# Altium PCB ROARCAT.PcbDoc (continued)
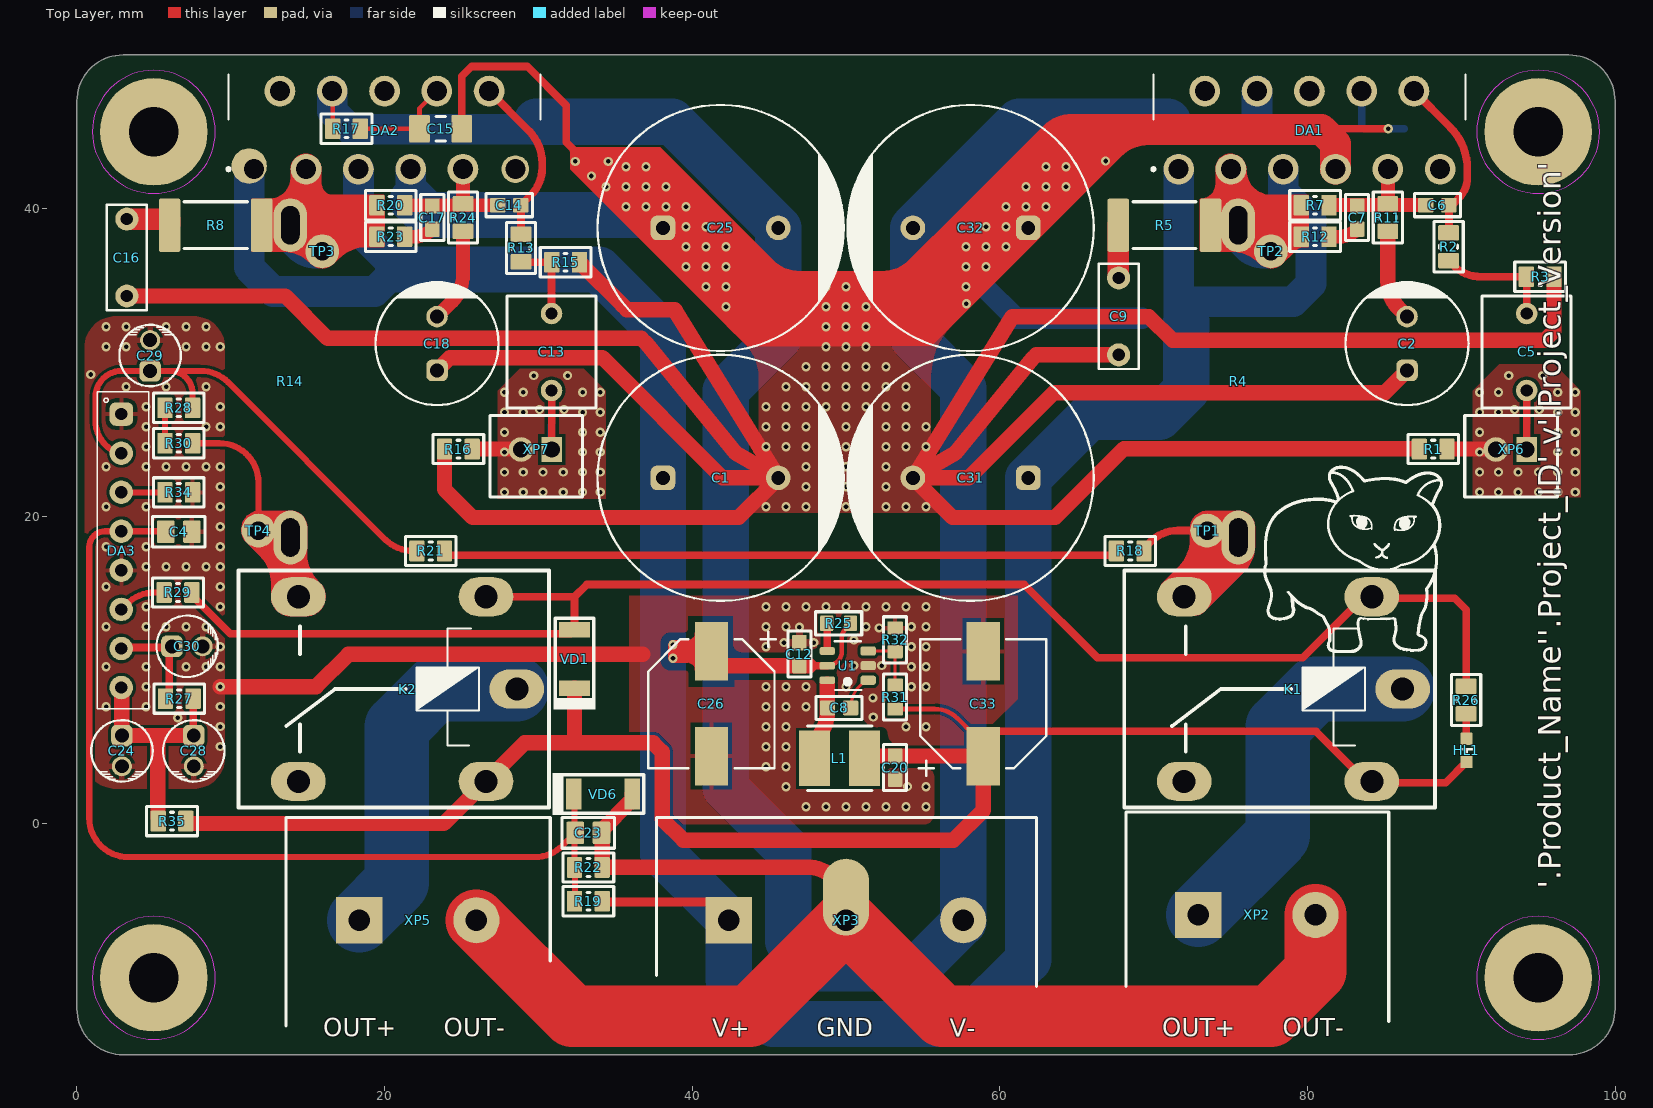
[diagram p0: Top Layer view]
## Part data (continued)
R19: library part "100 k  R0805", "RES SMD 100 k OHM  ±1% 1/8W 0805", Operation Temperature="-55℃ to 155℃", Package/Case=0805, Power Rating=0.125W, Temperature Coefficient="±100 ppm/°C", Tolerance=±1%, Library Path 1=Resistor.SchLib, Name Component=Resistror, Part Number="100 k  R0805"
R21 R27 R28: library part "47 k  R0805", "RES SMD 47 k OHM  ±1% 1/8W 0805", Operation Temperature="-55℃ to 155℃", Package/Case=0805, Power Rating=0.125W, Temperature Coefficient="±100 ppm/°C", Tolerance=±1%, Library Path 1=Resistor.SchLib, Name Component=Resistror, Part Number="47 k  R0805"
R25 R31: library part "100 k  R0603", "RES SMD 100 k OHM  ±1% 1/10W 0603", Operation Temperature="-55℃ to 155℃", Package/Case=0603, Power Rating=0.1W, Temperature Coefficient="±100 ppm/°C", Tolerance=±1%, Library Path 1=Resistor.SchLib, Name Component=Resistror, Part Number="100 k  R0603"
R29: library part "100  R0805", "RES SMD 100 OHM  ±1% 1/8W 0805", Operation Temperature="-55℃ to 155℃", Package/Case=0805, Power Rating=0.125W, Temperature Coefficient="±100 ppm/°C", Tolerance=±1%, Library Path 1=Resistor.SchLib, Name Component=Resistror, Part Number="100  R0805"
R32: library part "10 k  R0603", "RES SMD 10 k OHM  ±1% 1/10W 0603", Operation Temperature="-55℃ to 155℃", Package/Case=0603, Power Rating=0.1W, Temperature Coefficient="±100 ppm/°C", Tolerance=±1%, Library Path 1=Resistor.SchLib, Name Component=Resistror, Part Number="10 k  R0603"
R34: library part "0  R0805", "RES SMD 0 OHM  ±1% 1/8W 0805", Operation Temperature="-55℃ to 155℃", Package/Case=0805, Power Rating=0.125W, Temperature Coefficient="±200 ppm/°C", Tolerance=±1%, Library Path 1=Resistor.SchLib, Name Component=Resistror, Part Number="0  R0805"
R35: library part "3.3 k  R0805", "RES SMD 3.3 k OHM  ±1% 1/8W 0805", Operation Temperature="-55℃ to 155℃", Package/Case=0805, Power Rating=0.125W, Temperature Coefficient="±100 ppm/°C", Tolerance=±1%, Library Path 1=Resistor.SchLib, Name Component=Resistror, Part Number="3.3 k  R0805"
TP1 TP2 TP3 TP4: "1.75mm Pad for Plug-In or Receptacle", Manufacturer=NONE, Ajax_1C_PN=NONE, Ajax_1С_Status="RND Only", Component Status=Released, Component Type=PTH, ComponentLink1Description=Datasheet, ComponentLink1URL=NONE, Part Number=PAD-1.75mm, Part Type=Pad, Price=NONE, Replacement=NONE, Temperature range=NONE
U1: "Switching Voltage Regulators 4.7V to 40V Input, 1A Output , Vfb = 0.6V VStep-Down Converter SOT-23-6", Manufacturer="Joulwatt Technology", Operation Temperature="-40°C ~ 125°C (TJ)", Package=SOT-23-6, Package/Case="SOT 23-6", Power (V/A)="4.7…40V 2A", ComponentDescription="Power converters JW5026  (SOT 23-6)", ComponentLink1Description=Datasheet, ComponentLink1URL=https://www.skytech.ir/DownLoad/File/2588_JW5026.pdf, Library Path 1="Power converters.SchLib", Name Component="Power converters", Part Number=JW5026, Supplier 1=Kosmodrom, Supplier Part Number 1=JW5026
VD1 VD6: "DIODE GEN PURP 75V 250MA SOD323", Manufacturer="Diodes Incorporated", Operation Temperature="-55°C ~ 150°C", Package/Case=SOD-80, Power Rating="75V 250mA", ComponentLink1Description=Datasheet, Library Path 1=Diodes.SchLib, Manufacturer P/N=1N4148, Name Component=Diode, Part Number=1N4148, Supplier 1=Digi-key, Supplier Part Number 1=1N4148
XP1 XP4: "CONN UMC RCPT STR 50 OHM SMD", Manufacturer=HIROSE, Operation Temperature="-10°C …. 40°C", Package/Case="Male Pin", ComponentLink1Description=Datasheet, ComponentLink1URL=https://www.tme.eu/ua/ru/details/u.fl-r-smt-1-01/mikrorazemy/hirose/u-fl-r-smt-1-01/, Library Path 1=Connectors.SchLib, Manufacturer P/N=U.FL-R-SMT-1(01), Name Component="U.FL (IPX/AMC)", Part Number=U.FL-R-SMT-1(01), Supplier 1=TME
XP2 XP5: "CONN TERMINAL BLOCKS 7.62MM", Manufacturer=DEGSON, Manufacturer P/N=DG25C-B-02P-13-00AH, Operation Temperature="-40°C ~ 105°C", Package/Case="7.62 mm", Power (V/A)="15A  2000V", ComponentLink1Description=Datasheet, ComponentLink1URL=http://www.kosmodrom.com.ua/pdf/DG25C-B.pdf, Library Path 1=Connectors.SchLib, Name Component="Terminal Blocks", Part Number=DG25C-B-02P, Supplier 1=Kosmodrom
XP3: "3PIN 7.62mm 300V 15 A  7-30 AWG", Operation Temperature="-65°C ~ 125°C", Package/Case="7,62 mm", Power (V/A)="300V 15 A", ComponentLink1Description=Datasheet, ComponentLink1URL=https://www.rcscomponents.kiev.ua/datasheets/DG25H-B-XXP-1Y-00A%28H%29.Jpg, Library Path 1=Connectors.SchLib, Name Component="Power Connectors", Part Number=DG25H-B-03P-13-00AH, Supplier 1=RCS
XP6 XP7: "CONN HEADER VERT 2POS 2MM", Manufacturer="JST Sales America Inc.", Manufacturer P/N=B02B-PASK-1(LF)(SN), Operation Temperature="-55 °C to +105 °C", Package/Case=2mm, Power (V/A)=3A, ComponentLink1Description=Datasheet, ComponentLink1URL=http://www.jst-mfg.com/product/pdf/eng/ePA-F.pdf, Library Path 1=Connectors.SchLib, Name Component="Rectangular Connectors - Headers", Part Number=B02B-PASK-1, Supplier 1=Digi-key

## Free pads (board coordinates)
  round 7 hole 3.2: MH(5,-10) MH(5,45) MH(95,-10) MH(95,45)

## Via types
v1: diameter 0.6, hole 0.3, Top Layer to Bottom Layer, tented both sides, 291 vias

## Nets (pads, with @x,y where several pads share a name; then routed paths per layer and width w, separated by ;. In a path a pad name is that pad's centre, name@x,y a point inside that pad or via, vN(x,y) a via of type N, cw(c..) or ccw(c..) an arc to the next point about the centre after c; other vN are vias at no path point)
12V5: C20.2 C33.1 HL1.1 K1.1 K2.1 L1.2 R31.2 R35.1 VD1.1 | length 113.2
  Top Layer w0.3: R31.2 55.764,7.475 cw(c55.764,5.364) 57.256,6.857 ; 57.257,6.857 57.508,6.606 57.944,6.169 57.997,6.169 58.619,5.547 C33.1@58.619,5.494
  Top Layer w0.5: C33.1@58.922,5.244 59.703,6.025 80.55,6.025 83.8,2.775 K1.1 ; K1.1@85.501,2.675 88.977,2.675 HL1.1
  Top Layer w1: R35.1@7.225,0.035 23.86,0.035 K2.1 29.1,5.275 32.35,5.275 ; VD1.1 32.35,5.275 ; L1.2 51.346,4.419 C33.1 58.922,0.883 56.989,-1.05 39.425,-1.05 38.05,0.325 38.05,4.689 37.464,5.275 32.35,5.275
+30V: C1.1 C3.1 C10.1 C12.2 C26.1 C31.1 DA1.1 DA1.5 DA2.1 DA2.5 R19.2 R25.1 U1.5 XP3.1 | length 205.6
  Top Layer w0.3: U1.5 ccw(c48.782,11.246) 49.731,11.246 49.731,12.118 cw(c50.535,12.118) 49.981,12.7 cw(c50.535,12.118) 50.14,12.818 cw(c50.535,12.118) R25.1@50.535,12.922
  Top Layer w0.5: 47.606,10.294 48.782,10.294 U1.5
  Top Layer w0.6: R19.2@34.187,-5.062 41.189,-5.062 XP3.1
  Top Layer w1: C26.1 41.247,10.869 41.822,10.294 C12.2 47.606,10.294
  Bottom Layer w2: DA2.1@11.131,42.874 11.2,42.804 11.2,36.19 12.765,34.625 19.364,34.625 20.83,36.091 ; DA2.5 18.3,38.621 20.216,36.705 ; C10.1@71.625,32.672 71.625,34.375 ; DA1.1 71.625,34.375 ; DA1.5 78.425,41.1 80.225,39.3 80.225,35.122 79.053,33.95 72.05,33.95 71.625,34.375
  Bottom Layer w3: 20.873,36.048 33.927,36.048 38.1,31.875 C1.1 38.1,-1.973 XP3.1 42.38,-10.116 45.264,-13 57.676,-13 61.85,-8.825 C31.1 65.813,26.462 70.365,26.462 72.123,28.22 72.123,32.672
  other v1: 38.755,10.78 38.755,11.655
-30V: C11.2 C19.2 C25.2 C32.2 DA1.4 DA2.4 R9.2 R17.2 XP3.3 | length 175.8
  Top Layer w0.3: R17.2 DA2.4@16.625,47.725
  Top Layer w0.5: DA2.4@16.625,47.725 DA2.4@16.775,47.875
  Bottom Layer w1: 76.714,45.2 R9.2
  Bottom Layer w2: DA2.4 16.6,46.336 17.772,45.164 29.872,45.164 ; 70.608,45.147 76.256,45.147 ; 76.714,45.232 76.629,45.147 76.256,45.147 ; DA1.4 76.714,47.639 76.714,45.605 76.256,45.147
  Bottom Layer w3: 29.872,45.652 33.47,45.652 37.4,45.652 38.698,45.652 C25.2 45.6,31.6 42.187,28.187 42.187,2.338 46.245,-1.72 46.245,-7.623 48.003,-9.38 54.633,-9.38 XP3.3@57.62,-6.393 ; XP3.3 XP3.3@57.62,-6.393 ; 70.917,45.662 65.575,45.662 61.263,45.662 C32.2 54.35,31.6 57.62,28.33 XP3.3@57.62,-6.393
NetC2_2: C2.2 R11.1 | length 5.9
  Top Layer w1: R11.1 85.225,35.287 ccw(c87.765,35.287) 85.585,33.983 ccw(c87.765,35.287) 85.969,33.491 C2.2
NetC5_1: C5.1 XP1.1 XP6.1 | length 5.4
  Top Layer w0.5: XP6.1 C5.1
  Bottom Layer w0.5: XP6.1 XP1.1
NetC5_2: C5.2 R2.2 R3.1 | length 7.8
  Top Layer w0.5: R2.2 89.482,36.319 ccw(c91.278,38.115) 91.278,35.575 R3.1 cw(c94.165,35.514) 94.25,35.514 C5.2
NetC6_1: C6.1 C7.1 DA1.9 R7.1 R11.2 | length 8.4
  Top Layer w0.9: R7.1@81.4,40.25 81.4,40.22 81.43,40.25 C6.1@87.484,40.25 ; R11.2 DA1.9
NetC6_2: C6.2 DA1.10 R2.1 | length 10.7
  Top Layer w0.5: DA1.10 89.274,45.301 89.276,45.299 cw(c86.57,42.594) 90.396,42.595 90.396,42.593 90.396,42.05 cw(c88.446,42.05) 89.825,40.671 C6.2@89.459,40.306 ; R2.1 ccw(c89.126,38.475) 89.195,38.475 C6.2
NetC7_2: C7.2 R12.1 | length 2
  Top Layer w0.9: R12.1 82.041,38.181 ccw(c82.041,39.864) C7.2
NetC8_1: C8.1 U1.1 | length 2.1
  Top Layer w0.2: C8.1 cw(c52.317,7.543) 50.891,8.97 U1.1@51.221,9.3
NetC8_2: C8.2 L1.1 U1.6 | length 5
  Top Layer w1: L1.1 L1.1@47.945,5.445 ; L1.1@47.976,5.445 48.038,5.508 ccw(c46.242,7.304) 48.782,7.304 48.782,9.086
NetC9_1: C9.1 R5.1 | length 3.5
  Top Layer w1.4: R5.1@67.7,38.975 67.7,37.95 67.706,37.944 67.706,35.519 C9.1
NetC13_1: C13.1 XP4.1 XP7.1 | length 5.7
  Top Layer w0.3: XP7.1@30.875,24.125 XP7.1
  Top Layer w0.5: C13.1 30.875,28.185 XP7.1
  Bottom Layer w0.5: XP4.1 30.859,24.347 XP7.1
NetC13_2: C13.2 R13.2 R15.1 | length 5.3
  Top Layer w0.5: R13.2 ccw(c28.937,36.613) 28.937,36.524 R15.1@30.859,36.524 ; C13.2 R15.1@30.859,36.524 ; R15.1 R15.1@30.859,36.524
NetC14_1: C14.1 C17.1 DA2.9 R20.1 R24.2 | length 8.4
  Top Layer w0.9: R20.1 R24.2@25.106,40.226 ; DA2.9 25.106,42.564 R24.2 R24.2@25.106,40.226 ; C14.1 R24.2@25.106,40.226
NetC14_2: C14.2 DA2.10 R13.1 | length 11.1
  Top Layer w0.5: DA2.10 29.382,45.068 29.383,45.067 cw(c27.29,42.974) 30.25,42.975 30.25,42.973 30.25,42.669 cw(c27.71,42.669) 29.506,40.873 C14.2 cw(c28.821,40.188) 28.874,40.188 R13.1
NetC15_1: C15.1 DA2.8 R17.1 | length 6.8
  Top Layer w0.3: R17.1 22.25,45.2 22.275,45.175 22.275,46.525 DA2.8
NetC16_1: C16.1 R8.1 | length 3.1
  Top Layer w1.4: C16.1@3.277,39.325 6.025,39.325 R8.1@6.025,38.975
NetC17_2: C17.2 R23.1 | length 1.9
  Top Layer w0.9: R23.1 21.916,38.181 ccw(c21.916,39.864) C17.2
NetC18_2: C18.2 R24.1 | length 6.1
  Top Layer w0.9: C18.2 24.362,33.933 ccw(c22.566,35.729) 25.106,35.729 R24.1
NetC21_1: C21.1 DA1.8 R9.1 | length 5.7
  Bottom Layer w0.5: R9.1 C21.1 DA1.8
NetC24_1: C24.1 C28.1 DA3.8 R27.2 R35.2 | length 15.6
  Top Layer w0.5: C28.1@7.557,5.793 R27.2
  Top Layer w1: DA3.8 2.907,8.852 2.907,5.768 C24.1 5.262,5.75 ; R35.2@5.275,0.424 5.275,1.205 5.262,1.217 5.262,5.75 ; C28.1@7.557,5.793 C28.1 5.262,5.75
NetC29_1: C29.1 DA3.2 R21.1 R28.2 | length 34.8
  Top Layer w0.4: DA3.2@3.436,23.984 cw(c3.436,26.213) 1.206,26.213 1.206,27.75 cw(c2.912,27.75) 2.912,29.456 C29.1 6.05,29.456 ; R28.2 7.525,27.981 ccw(c6.05,27.981) 6.05,29.456 ; R21.1 21.852,17.75 cw(c21.852,20.29) 20.056,18.494 9.838,28.712 ccw(c8.042,26.916) 8.042,29.456 6.05,29.456
NetC30_1: C30.1 DA3.7 R27.1 | length 6.9
  Top Layer w0.5: DA3.7 2.959,11.48 6.106,11.48 C30.1 6.006,11.38 6.006,8.399 R27.1
NetDA1_3: DA1.3 R4.1 R5.2 R7.2 R12.2 TP2.1
NetDA2_3: DA2.3 R8.2 R14.1 R20.2 R23.2 TP3.1
NetDA3_3: DA3.3 R34.2 | length 2.5
  Top Layer w0.4: DA3.3@3.3,21.57 3.31,21.56 5.76,21.56 R34.2@5.77,21.55
NetDA3_6: DA3.6 R29.1 | length 3.1
  Top Layer w0.4: DA3.6 3.245,14.306 cw(c5.041,12.51) 3.248,14.309 cw(c5.041,12.51) 5.041,15.05 R29.1
NetHL1_2: HL1.2 R26.2 | length 1.6
  Top Layer w0.5: R26.2 90.326,7.146 90.326,5.549 HL1.2
NetK1_2: K1.2 K2.2 R26.1 R29.2 VD1.2 | length 101.3
  Top Layer w0.5: R29.2 7.47,14.875 9.97,12.375 32.1,12.375 VD1.2 32.35,14.775 ; K2.2 32.35,14.775 ; R26.1 90.313,13.937 89.575,14.675 84.286,14.675 K1.2 83.678,14.775 79.703,10.8 66.35,10.8 61.584,15.566 33.141,15.566 32.35,14.775
NetK1_3: K1.3 R4.2 R18.2 TP1.1 | length 8
  Top Layer w0.5: R18.2@69.464,18.024 69.771,18.331 cw(c71.567,16.535) 69.908,18.458 cw(c71.567,16.535) 71.567,19.075 TP1.1 73.804,18.75 74.804,18.75 75.553,18 R4.2@75.553,17.592 ; K1.3 K1.3@72.736,14.775
NetK1_4: K1.4 XP2.1 | length 23.5
  Bottom Layer w4.2: XP2.1@72.902,-5.912 78.075,-0.739 78.075,6.315 80.535,8.775 K1.4
NetK2_3: K2.3 R14.2 R30.1 TP4.1 | length 14.2
  Top Layer w0.4: R30.1 9.263,24.755 cw(c9.263,22.215) 11.803,22.215 TP4.1 14.4,16.478 K2.3
NetK2_4: K2.4 XP5.1 | length 22.4
  Bottom Layer w4.2: XP5.1 20.8,-3.806 20.8,6.315 23.26,8.775 K2.4
NetR1_1: R1.1 XP1.2 XP1.3 XP6.2 | length 3.2
  Top Layer w1: R1.1 92.222,24.375 cw(c92.222,24.347) XP6.2
  other v1: 91.191,21.575 92.416,21.575 93.691,21.575 95.016,21.575 96.266,21.575 97.416,21.575 91.191,22.875 92.416,22.875 93.691,22.875 95.016,22.875 96.266,22.875 97.416,22.875 91.191,24.175 96.266,24.175 97.416,24.175 91.191,25.475 96.266,25.475 97.416,25.475 91.191,26.775 92.416,26.775 96.266,26.775 97.416,26.775 93.466,26.95 95.066,26.95 91.191,28.075 92.416,28.075 96.266,28.075 97.416,28.075 93.091,29.15 95.291,29.15
NetR16_1: R16.1 XP4.2 XP4.3 XP7.2 | length 3.2
  Top Layer w1: R16.1 28.847,24.375 cw(c28.847,24.347) XP7.2
  other v1: 27.8,21.575 29.025,21.575 30.3,21.575 31.625,21.575 32.875,21.575 34.025,21.575 27.8,22.875 29.025,22.875 30.3,22.875 31.625,22.875 32.875,22.875 34.025,22.875 27.8,24.175 32.875,24.175 34.025,24.175 27.8,25.475 32.875,25.475 34.025,25.475 27.8,26.775 29.025,26.775 32.875,26.775 34.025,26.775 30.075,26.95 31.675,26.95 27.8,28.075 29.025,28.075 32.875,28.075 34.025,28.075 29.7,29.15 31.9,29.15
NetR18_1: R18.1 R21.2 | length 43.9
  Top Layer w0.5: R21.2 23.9,17.727 24.15,17.477 67.325,17.477 67.575,17.727 R18.1
NetR25_2: R25.2 U1.4 | length 1.8
  Top Layer w0.5: R25.2 cw(c48.747,13.015) 48.782,13.015 U1.4
NetR28_1: R28.1 R30.2 | length 2.3
  Top Layer w0.4: R30.2 R28.1
OFF≈0.6V: C4.2 C23.2 DA3.4 R19.1 R22.2 VD6.1 | length 63.2
  Top Layer w0.4: C4.2 5.745,19.03 DA3.4 1.83,19.03 ccw(c1.83,18) 0.8,18 0.8,0.39 ccw(c3.34,0.39) 3.34,-2.15 29.772,-2.15 ccw(c29.772,0.39) 31.568,-1.406 C23.2@32.293,-0.681 ; R19.1 32.375,-5 R22.2@32.375,-2.825 ; R22.2 32.35,-1.075 ccw(c30.95,-1.075) C23.2@32.293,-0.681 ; C23.2@32.35,-0.374 VD6.1@32.35,1.5 ; C23.2@32.375,-0.574 C23.2@32.375,-0.399 ; C23.2 C23.2@32.293,-0.681
PGND: C1.2 C2.1 C3.2 C4.1 C9.2 C10.2 C11.1 C12.1 C15.2 C16.2 C18.1 C19.1 C20.1 C21.2 C23.1 C24.2 C25.1 C26.2 C28.2 C29.2 C30.2 C31.2 C32.1 C33.2 DA1.7 DA2.7 DA3.1 DA3.5 R1.2 R3.2 R15.2 R16.2 R22.1 R32.1 R34.1 U1.2 VD6.2 XP2.2 XP3.2 XP5.2 | length 439.8
  Top Layer w0.5: C15.2 25.025,48.603 25.672,49.25 29.272,49.25 31.811,46.711 31.811,44.314 32.575,43.55 ; 81.825,45.2 v1(85.25,45.2)
  Top Layer w1: C16.2 13.55,34.325 16.3,31.575 36.688,31.575 37.016,31.247 42.863,24.097 C1.2 ; v1(9.325,8.93) 15.555,8.93 17.65,11.025 36.775,11.025 ; C18.1 23.614,29.685 24.244,30.315 34.16,30.315 41.975,22.5 44.7,22.5 ; R16.2 23.9,21.75 25.725,19.925 43.025,19.925 C1.2 ; R15.2 32.675,36.349 32.85,36.349 35.466,33.733 35.759,33.44 38.801,33.44 cw(c38.801,33.308) 38.934,33.308 44.437,24.385 C1.2 ; C23.1 C23.1@34.15,-0.524 ; C23.1@34.15,-0.328 C23.1@34.15,-0.524 ; VD6.2 36.1,1.45 35.968,1.45 34.175,-0.343 34.175,-0.499 C23.1@34.15,-0.524 ; C26.2@41.026,4.643 C26.2@41.026,5.464 ; C1.2@44.942,22.833 C1.2 ; XP3.2@49.328,-3.621 49.251,-3.544 ccw(c47.455,-5.34) 47.455,-2.8 34.15,-2.8 C23.1@34.15,-0.524 ; C31.2@54.71,23.084 55.456,24.293 60.812,32.975 69.701,32.975 71.226,31.45 95.439,31.45 96.025,32.036 R3.2 ; 55.25,22.5 57.975,22.5 63.5,28.025 85.015,28.025 C2.1 ; C9.2 62.369,30.5 62.118,30.249 57.087,24.097 55.022,22.892 C31.2 56.925,19.925 63.6,19.925 68.075,24.4 R1.2@87.275,24.4
  Top Layer w2: 68.25,45.15 80.9,45.15 81.825,44.225 DA1.7
  Top Layer w4: XP5.2 32.22,-12.5 43.753,-12.5 XP3.2 56.247,-12.5 77.6,-12.5 80.522,-9.578 XP2.2@80.522,-5.912
  Bottom Layer w0.5: v1(85.25,45.2) C21.2
  Bottom Layer w1.4: 58.973,34.93 61.028,32.875 C10.2@69.25,32.875
  Bottom Layer w2: 21.7,41.29 DA2.7
  Bottom Layer w3: 21.81,40.551 22.776,39.585 37.265,39.585 C25.1
  other v1: 47.4,1.125 48.7,1.125 50,1.125 51.3,1.125 52.6,1.125 53.9,1.125 55.2,1.125 46.1,2.425 54,2.43 55.2,2.425 44.8,3.725 46.1,3.725 9.325,5.03 44.8,5.025 46.1,5.025 9.325,6.33 44.8,6.325 46.1,6.325 53.9,6.325 55.2,6.325 6.55,6.9 51.775,6.95 1.9,7.625 4.5,7.625 9.325,7.63 44.8,7.625 46.1,7.625 47.4,7.625 51.75,8.2 4.5,8.925 44.8,8.925 46.1,8.925 47.4,8.925 50,8.925 54.25,8.93 55.2,8.925 1.9,10.225 4.5,10.225 7.1,10.225 8.4,10.225 55.2,10.225 9.325,10.23 54.25,10.23 50.513,10.296 52.325,10.296 9.325,11.53 44.8,11.525 54.25,11.53 55.2,11.525 45.973,11.794 47.9,11.794 50.513,11.954 52.15,12.75 46.972,12.8 1.9,12.825 4.5,12.825 5.8,12.825 7.1,12.825 8.4,12.825 44.8,12.825 46.1,12.825 51.3,12.825 54.25,12.83 55.2,12.825 4.5,14.125 9.325,14.13 44.8,14.125 46.1,14.125 47.4,14.125 48.7,14.125 50,14.125 51.3,14.125 52.6,14.125 53.9,14.125 55.2,14.125 1.9,15.425 9.325,15.43 4.5,16.725 5.8,16.725 7.1,16.725 8.4,16.725 9.325,16.73 1.9,18.025 4.5,18.025 9.325,18.03 9.325,19.33 1.9,20.625 4.5,20.625 9.325,20.63 44.8,20.625 46.1,20.625 47.4,20.625 48.7,20.625 50,20.625 51.3,20.625 52.6,20.625 53.9,20.625 55.2,20.625 9.325,21.93 47.4,21.925 48.7,21.925 50,21.925 51.3,21.925 52.6,21.925 1.9,23.225 4.5,23.225 5.8,23.225 7.1,23.225 8.4,23.225 9.325,23.23 47.4,23.225 48.7,23.225 50,23.225 51.3,23.225 52.6,23.225 4.5,24.525 44.8,24.525 46.1,24.525 47.4,24.525 48.7,24.525 50,24.525 51.3,24.525 52.6,24.525 53.9,24.525 55.2,24.525 4.5,25.825 8.4,25.825 9.325,25.83 44.8,25.825 46.1,25.825 47.4,25.825 48.7,25.825 50,25.825 51.3,25.825 52.6,25.825 53.9,25.825 55.2,25.825 4.5,27.125 9.325,27.13 44.8,27.125 46.1,27.125 47.4,27.125 48.7,27.125 50,27.125 51.3,27.125 52.6,27.125 53.9,27.125 3.2,28.425 5.8,28.425 8.4,28.425 46.1,28.425 47.4,28.425 48.7,28.425 50,28.425 51.3,28.425 52.6,28.425 53.9,28.425 0.9,29.225 47.4,29.725 48.7,29.725 50,29.725 51.3,29.725 52.6,29.725 1.9,31.025 3.2,31.025 7.1,31.025 8.4,31.025 9.325,31.03 48.7,31.025 50,31.025 51.3,31.025 1.9,32.325 3.2,32.325 5.8,32.325 7.1,32.325 8.4,32.325 48.7,32.325 50,32.325 51.3,32.325 42.2,33.625 48.7,33.625 50,33.625 51.3,33.625 57.825,33.825 40.9,34.925 42.2,34.925 48.7,34.925 50,34.925 51.3,34.925 57.8,34.925 39.6,36.225 40.9,36.225 42.2,36.225 57.8,36.225 59.1,36.225 39.6,37.525 40.9,37.525 42.2,37.525 57.8,37.525 59.1,37.525 60.4,37.525 39.6,38.825 40.9,38.825 59.1,38.825 60.4,38.825 35.7,40.125 37,40.125 38.3,40.125 39.6,40.125 60.4,40.125 61.7,40.125 63,40.125 34.4,41.425 35.7,41.425 37,41.425 38.3,41.425 61.7,41.425 63,41.425 64.3,41.425 33.45,42.125 35.7,42.725 37,42.725 63,42.725 64.3,42.725 32.4,43.075 34.55,43.075 66.875,43.1
Vfb=0.8: R31.1 R32.2 U1.3 | length 3.9
  Top Layer w0.2: U1.3 R32.2@53.149,11.247 ; R31.1 R32.2
pads on no net: DA1.2 DA1.6 DA1.11 DA2.2 DA2.6 DA2.11 K1.5 K2.5

## Polygon pours and split planes (outlines as drawn)
PGND on Top Layer "NONET_L-01_P-001" (solid, remove dead copper, pour order 8): 7.6,33 cw(c7.6,30.975) 9.625,30.975 9.625,4.325 cw(c7.6,4.325) 7.6,2.3 2.525,2.3 cw(c2.525,4.325) 0.5,4.325 0.5,30.975 cw(c2.525,30.975) 2.525,33
NetR1_1 on Top Layer "NONET_L-01_P-001" (solid, remove dead copper, pour order 21): 92.466,29.9 96.041,29.9 97.766,28.175 97.766,21.25 90.741,21.25 90.741,28.175
NetR16_1 on Top Layer "NONET_L-01_P-001" (solid, remove dead copper, pour order 23): 29.075,29.9 32.65,29.9 34.375,28.175 34.375,21.15 27.35,21.15 27.35,28.175
PGND on Top Layer "NONET_L-01_P-001" (solid, remove dead copper, pour order 12): 57.025,32.55 ccw(c60.348,29.052) 55.525,29.175 55.525,21.172 cw(c55.339,20.436) 56.075,20.25 43.95,20.25 cw(c44.598,20.523) 44.325,21.172 44.325,29.175 ccw(c41.24,29.022) 43.313,31.313 42.075,32.55
PGND on Top Layer "NONET_L-01_P-001" (solid, remove dead copper, pour order 0): 35.9,14.825 35.9,5.825 38.034,5.265 38.5,-0.025 61.15,-0.025 61.15,14.825
NetR1_1 on Bottom Layer "NONET_L-01_P-001" (solid, pour order 22): 92.466,29.9 96.041,29.9 97.766,28.175 97.766,21.15 90.741,21.15 90.741,28.175
NetR16_1 on Bottom Layer "NONET_L-01_P-001" (solid, pour order 19): 29.075,29.9 32.65,29.9 34.375,28.175 34.375,21.15 27.35,21.15 27.35,28.175
PGND on Bottom Layer "NONET_L-01_P-001" (solid, pour order 25): 53.085,-7.275 ccw(c53.085,-4.735) 55.625,-4.735 55.625,26.273 ccw(c53.085,26.273) 54.881,28.069 53.069,29.881 cw(c54.865,31.677) 52.325,31.677 52.325,35.45 ccw(c51.825,35.45) 51.825,35.95 48.075,35.95 ccw(c48.075,35.475) 47.6,35.475 47.6,31.727 cw(c45.06,31.727) 46.856,29.931 44.994,28.069 ccw(c46.752,26.182) 44.175,26.273 44.175,4.327 ccw(c46.715,4.327) 44.919,2.531 47.531,-0.081 cw(c45.735,-1.877) 48.275,-1.877 48.275,-5.5 ccw(c50.05,-5.5) 50.05,-7.275
PGND on Bottom Layer "NONET_L-01_P-001" (solid, remove dead copper, pour order 9): 7.6,33 cw(c7.6,30.975) 9.625,30.975 9.625,4.325 cw(c7.6,4.325) 7.6,2.3 2.525,2.3 cw(c2.525,4.325) 0.5,4.325 0.5,30.975 cw(c2.525,30.975) 2.525,33
PGND on Bottom Layer "NONET_L-01_P-001" (solid, remove dead copper, pour order 14): 32.075,43.6 32.075,40.825 33.911,40.825 41.686,33.05 43.15,33.05 43.15,37.875 37.425,43.6
PGND on Bottom Layer "NONET_L-01_P-001" (solid, remove dead copper, pour order 13): 68.1,43.6 58,33.5 56.8,33.5 56.8,37.875 62.525,43.6

## Keep-outs
Top Layer:
  circle w0.01: c5,-10 r4
  circle w0.01: c95,-10 r4
  circle w0.01: c95,45 r4
  circle w0.01: c5,45 r4

## Other copper
Top Layer:
  pour cut-out: 46.35,11.175 43.15,11.175 cw(c43.15,11.65) 42.675,11.65 42.675,13.525 39.7,13.525 39.7,12.65 cw(c39.525,12.65) 39.525,12.475 38.675,12.475 ccw(c38.675,11.725) 37.925,11.725 37.925,10.675 ccw(c38.625,10.675) 38.625,9.975 39.575,9.975 cw(c39.575,9.8) 39.75,9.8 39.75,8.9 42.775,8.9 42.775,9.35 48.075,9.35 48.075,11.15
  region net PGND: 44.025,37.875 45.206,36.694 ccw(c47.002,38.49) 47.002,35.95 52.348,35.95 ccw(c52.348,38.49) 54.144,36.694 55.35,37.9 55.35,31.375 44.025,31.375
  pour cut-out: 53.5,3.625 55.2,3.625 cw(c55.2,3.1) 55.725,3.1 55.725,0.625 cw(c55.075,0.625) 55.075,-0.025 cw(c55.075,-0.05) 55.1,-0.05 55.1,-0.125 55.85,-0.125 55.85,3.8 53.525,3.8
  pour cut-out: 52.45,12.4 cw(c51.8,12.4) 51.8,11.75 51.75,11.75 51.75,11.675 52.5,11.675 ccw(c52.5,11.7) 52.525,11.7 52.525,12.4
  pour cut-out: 51,7.325 ccw(c52.05,7.325) 52.05,6.275 52.325,6.275 cw(c52.325,5.875) 52.725,5.875 ccw(c53.475,5.875) 53.475,5.125 53.6,5.125 cw(c53.6,5.075) 53.65,5.075 53.65,3.675 53.15,3.675 ccw(c53.15,2.925) 52.4,2.925 52.4,2.275 48.525,2.275 cw(c48.525,2.325) 48.475,2.325 48.475,7.325
  region net NetK2_3: 14.975,17.552 ccw(c17.515,17.552) 15.719,15.756 15.825,15.65 cw(c14.98,14.805) 16.175,14.805 16.175,14.775 cw(c14.9,14.775) 14.9,13.5 13.9,13.5 cw(c13.9,14.775) 12.625,14.775 12.625,15.648 ccw(c10.085,15.648) 11.881,17.444 10.975,18.35 cw(c11.639,19.014) 10.7,19.014 10.7,19.175 cw(c11.9,19.175) 11.9,20.375 13.9,20.375 cw(c13.9,19.3) 14.975,19.3
  region net NetK1_3: 71.925,13.525 72.565,13.525 ccw(c72.565,14.635) 73.35,13.85 75.893,16.393 ccw(c74.186,18.1) 76.6,18.1 76.6,19.275 ccw(c75.5,19.275) 75.5,20.375 73.525,20.375 ccw(c73.525,19.2) 72.35,19.2 72.35,18.502 cw(c69.81,18.502) 71.606,16.706 70.5,15.6
  region net NetDA2_3: 14.875,43.575 ccw(c14.875,42.6) 13.9,42.6 13.9,42.025 cw(c12.525,42.025) 12.525,40.65 11.425,40.65 ccw(c11.425,40.55) 11.325,40.55 11.325,37.3 ccw(c11.425,37.3) 11.425,37.2 13.373,37.2 cw(c13.373,34.66) 15.169,36.456 15.25,36.375 ccw(c15.854,36.979) 15.854,36.125 15.975,36.125 ccw(c15.975,37.151) 16.701,36.426 17.031,36.756 cw(c18.827,34.96) 18.827,37.5 19.925,37.5 ccw(c19.925,37.575) 20,37.575 20,40.825 ccw(c19.925,40.825) 19.925,40.9 16.65,40.9 cw(c16.65,41.65) 15.9,41.65 15.9,42.55 ccw(c14.875,42.55)
  region net NetDA1_3: 77.65,40.9 cw(c77.65,42.525) 76.025,42.525 ccw(c74.975,42.525) 74.975,43.575 ccw(c74.975,42.625) 74.025,42.625 74.025,41.625 cw(c73.05,41.625) 73.05,40.65 ccw(c73.05,40.6) 73,40.6 73,37.3 ccw(c73.1,37.3) 73.1,37.2 75.048,37.2 cw(c75.048,34.66) 76.844,36.456 76.85,36.45 ccw(c77.635,37.235) 77.635,36.125 77.65,36.125 ccw(c77.65,37.151) 78.376,36.426 79.128,37.178 cw(c79.923,36.383) 79.923,37.508 80.026,37.508 ccw(c80.026,37.581) 80.098,37.581 80.098,40.827 ccw(c80.025,40.827) 80.025,40.9
  region net +30V: 39.705,11.955 ccw(c39.705,12.43) 40.18,12.43 40.555,12.43 40.555,10.005 40.18,10.005 ccw(c39.705,10.005) 39.705,10.48 38.755,10.48 cw(c38.755,10.781) 38.453,10.781 38.453,11.653 cw(c38.755,11.653) 38.755,11.955
  region net PGND: 71.325,46.15 64.652,46.15 ccw(c64.652,43.61) 62.856,45.406 48.525,31.075 55.568,31.075 67.899,43.406 cw(c69.695,41.61) 69.695,44.15 71.325,44.15
  region net PGND: 32.075,43.987 37.912,43.987 50.848,31.051 43.574,31.051 32.075,42.55
Bottom Layer:
  region net NetDA1_3: 76.6,39.575 76.6,39.325 ccw(c77.6,39.325) 77.6,38.325 77.6,36.125 77.152,36.125 cw(c77.152,38.665) 75.356,36.869 74.775,37.45
  region net NetDA2_3: 14.975,39.575 14.975,39.325 ccw(c15.975,39.325) 15.975,38.325 15.975,36.125 15.527,36.125 cw(c15.527,38.665) 13.731,36.869 13.15,37.45
  region net NetK2_3: 14.975,17.552 ccw(c17.515,17.552) 15.719,15.756 15.825,15.65 cw(c14.98,14.805) 16.175,14.805 16.175,14.775 cw(c14.9,14.775) 14.9,13.5 13.9,13.5 cw(c13.9,14.775) 12.625,14.775 12.625,15.648 ccw(c10.085,15.648) 11.881,17.444 10.975,18.35 cw(c11.639,19.014) 10.7,19.014 10.7,19.175 cw(c11.9,19.175) 11.9,20.375 13.9,20.375 cw(c13.9,19.3) 14.975,19.3
  region net NetK1_3: 71.925,13.525 72.565,13.525 ccw(c72.565,14.635) 73.35,13.85 75.893,16.393 ccw(c74.186,18.1) 76.6,18.1 76.6,19.275 ccw(c75.5,19.275) 75.5,20.375 73.525,20.375 ccw(c73.525,19.2) 72.35,19.2 72.35,18.502 cw(c69.81,18.502) 71.606,16.706 70.5,15.6
  pour cut-out: 76.6,18.875 76.6,17.96 cw(c75.49,17.96) 76.275,17.175

## Silkscreen, mask and mechanical layers (free items; w line width, h text height)
Top Overlay:
  drawing of 4 lines, arcs and shapes, not listed
  text "'.Product_Name''.Project_ID'.v'.Project_Version'" at 96.954,-4.195 h2.5 r90
  text "OUT+" at 16.02,-14.201 h2
  text "OUT-" at 23.834,-14.201 h2
  text "GND" at 48.101,-14.201 h2
  text "OUT+" at 70.569,-14.201 h2
  text "OUT-" at 78.383,-14.201 h2
  text "V+" at 41.299,-14.225 h2
  text "V-" at 56.732,-14.225 h2
Bottom Overlay:
  text "'.Product_Name''.Project_ID'.v'.Project_Version'" at 96.979,17.295 h2.5 r90
Top Solder:
  lines w1: 13.75,39.769 cw(c14.61,39.769) 14.002,40.377 ccw(c11.834,42.545) 14.9,42.545 14.9,42.57 ; 14.627,37.773 ccw(c15.95,39.096) 15.95,37.225 ; 25.973,-6.253 31.727,-12.007 38.786,-12.007 44.246,-12.007 50,-6.253 55.572,-11.825 78.15,-11.825 80.65,-9.325 80.65,-5.75 ; 64.9,45.125 80.85,45.125 81.775,44.2 81.775,42.8 ; 73.925,38.35 75.23,38.35 cw(c75.23,35.284) 77.398,37.452 ; 74.127,40.077 ccw(c71.959,42.245) 75.025,42.245 75.025,42.57
Bottom Solder:
  lines w1: 10.95,42.85 10.95,36.475 12.8,34.625 19.35,34.625 19.387,34.662 19.462,34.662 20.875,36.075 ; 11.803,19.075 13.502,17.376 ; 14.5,19 ccw(c14.741,18.759) 14.4,18.759 14.4,14.775 14.4,15.208 ; 16.6,47.65 16.6,46.075 17.5,45.175 39.125,45.175 45.575,38.725 ; 17.85,34.625 19.425,34.625 ; 18.3,42.2 18.3,38.65 20.875,36.075 ; 18.353,-6.253 20.825,-3.781 20.825,6.45 23.15,8.775 28.6,8.775 ; 21.7,42.57 21.7,40.858 23.459,39.099 38.126,39.099 ; 33.125,43.2 33.803,43.2 42.073,34.93 ; 38.1,22.15 38.1,32.15 34.175,36.075 20.875,36.075 ; 38.1,38.7 38.1,38.75 ; 38.2,-2.073 38.2,22.6 38.05,22.45 38.05,-2.05 42,-6 42.425,-6 ; 42.6,-6.825 42.6,-10.175 45.475,-13.05 57.675,-13.05 61.875,-8.85 61.875,-3.35 61.85,-3.325 ; 45.685,10.765 49.86,6.59 ; 45.7,17.225 49.875,13.05 ; 45.7,22.383 49.875,18.208 ; 45.725,38.875 45.575,38.725 ; 49.775,-0.2 45.6,3.975 45.6,22.5 45.6,25.7 49.975,30.075 ; 49.975,-4.5 49.975,30.075 ; 50,29.725 50,34.925 ; 50.06,6.565 54.235,10.74 ; 50.075,13.025 54.25,17.2 ; 50.075,18.183 54.25,22.358 ; 50.175,-0.225 54.35,3.95 ; 50.375,-4 54.35,-0.025 54.35,22.5 54.35,25.7 49.975,30.075 ; 50.5,-3.825 54.188,-0.137 ; 57.62,-6.253 57.625,-6.253 57.625,28.35 54.35,31.625 54.35,38.75 60.825,45.225 76.125,45.225 76.75,45.85 76.75,47.625 ; 58.125,-5.975 54.55,-9.55 48.325,-9.55 46.2,-7.425 46.2,-1.625 42.15,2.425 42.15,27.525 42.15,28.225 45.575,31.65 45.575,38.725 ; 61.85,-8.875 61.85,22.5 65.8,26.45 69.375,26.45 70.15,26.45 71.625,27.925 71.625,42.57 71.7,42.495 ; 65.5,42.825 65.5,42.758 57.673,34.93 57.673,34.948 65.875,43.15 ; 71.875,34.1 79.05,34.1 ; 71.986,14.775 73.227,16.016 ccw(c71.059,18.184) 74.125,18.184 ; 72.45,15.225 73.861,16.636 cw(c75.525,14.971) 75.525,17.325 ; 72.8,15.7 ccw(c71.163,17.337) 73.478,17.337 73.478,19.246 ccw(c73.296,19.246) 73.425,19.375 ; 72.902,-5.912 78.1,-0.714 78.1,6.4 80.5,8.8 85.15,8.8 ; 78.4,42.125 78.4,41.1 80.25,39.25 80.25,35.034 79.317,34.1 ; 13.502,17.376 cw(c11.334,15.208) 14.4,15.208 ; 13.502,17.376 cw(c11.334,15.208) 14.4,15.208 ; 79.05,34.1 79.317,34.1 ; 79.05,34.1 79.317,34.1
Board:
  the board outline again, w0.02
Title:

## Text inside footprints (layer, text, board x,y; h text height)
C1: Top Assembly "+" at 37.85,20.5 h0.9
C2: Top Assembly "+" at 85.275,29.085 h0.9 r90
C18: Top Assembly "+" at 22.214,29.085 h0.9 r90
C24: Top Assembly "+" at 1.125,6.05 h0.9 r270
C25: Top Assembly "+" at 37.85,36.75 h0.9
C28: Top Assembly "+" at 5.8,6.05 h0.9 r270
C29: Top Assembly "+" at 6.562,29.156 h0.9 r90
C30: Top Assembly "+" at 5.876,9.75 h0.9
C31: Top Assembly "+" at 62.1,24.5 h0.9 r180
C32: Top Assembly "+" at 62.1,40.75 h0.9 r180
K1: Top Assembly "COM" at 85.386,11.483 h0.8; Top Assembly "NC" at 70.386,5.083 h0.8; Top Assembly "NO" at 70.386,11.683 h0.8
K2: Top Assembly "NO" at 12.8,11.683 h0.8; Top Assembly "NC" at 12.8,5.083 h0.8; Top Assembly "COM" at 27.8,11.483 h0.8
R4: Top Assembly "3W" at 76,29.825 h1 r270; Top Assembly "CFR3WS Series" at 74.05,33.325 h1 r270
R14: Top Assembly "3W" at 14.375,29.825 h1 r270; Top Assembly "CFR3WS Series" at 12.425,33.325 h1 r270